# Altium PCB 4G_V4.1_5X4.PcbDoc (part 1 of 4)
Units mm, origin at the board's own origin, x right, y up, seen from the top; angles counter-clockwise.
Board outline 189.75 x 201.25 mm, 2 copper layers (Top Layer, Bottom Layer); 760 components, 0 nets, 5752 pads, 780 vias.
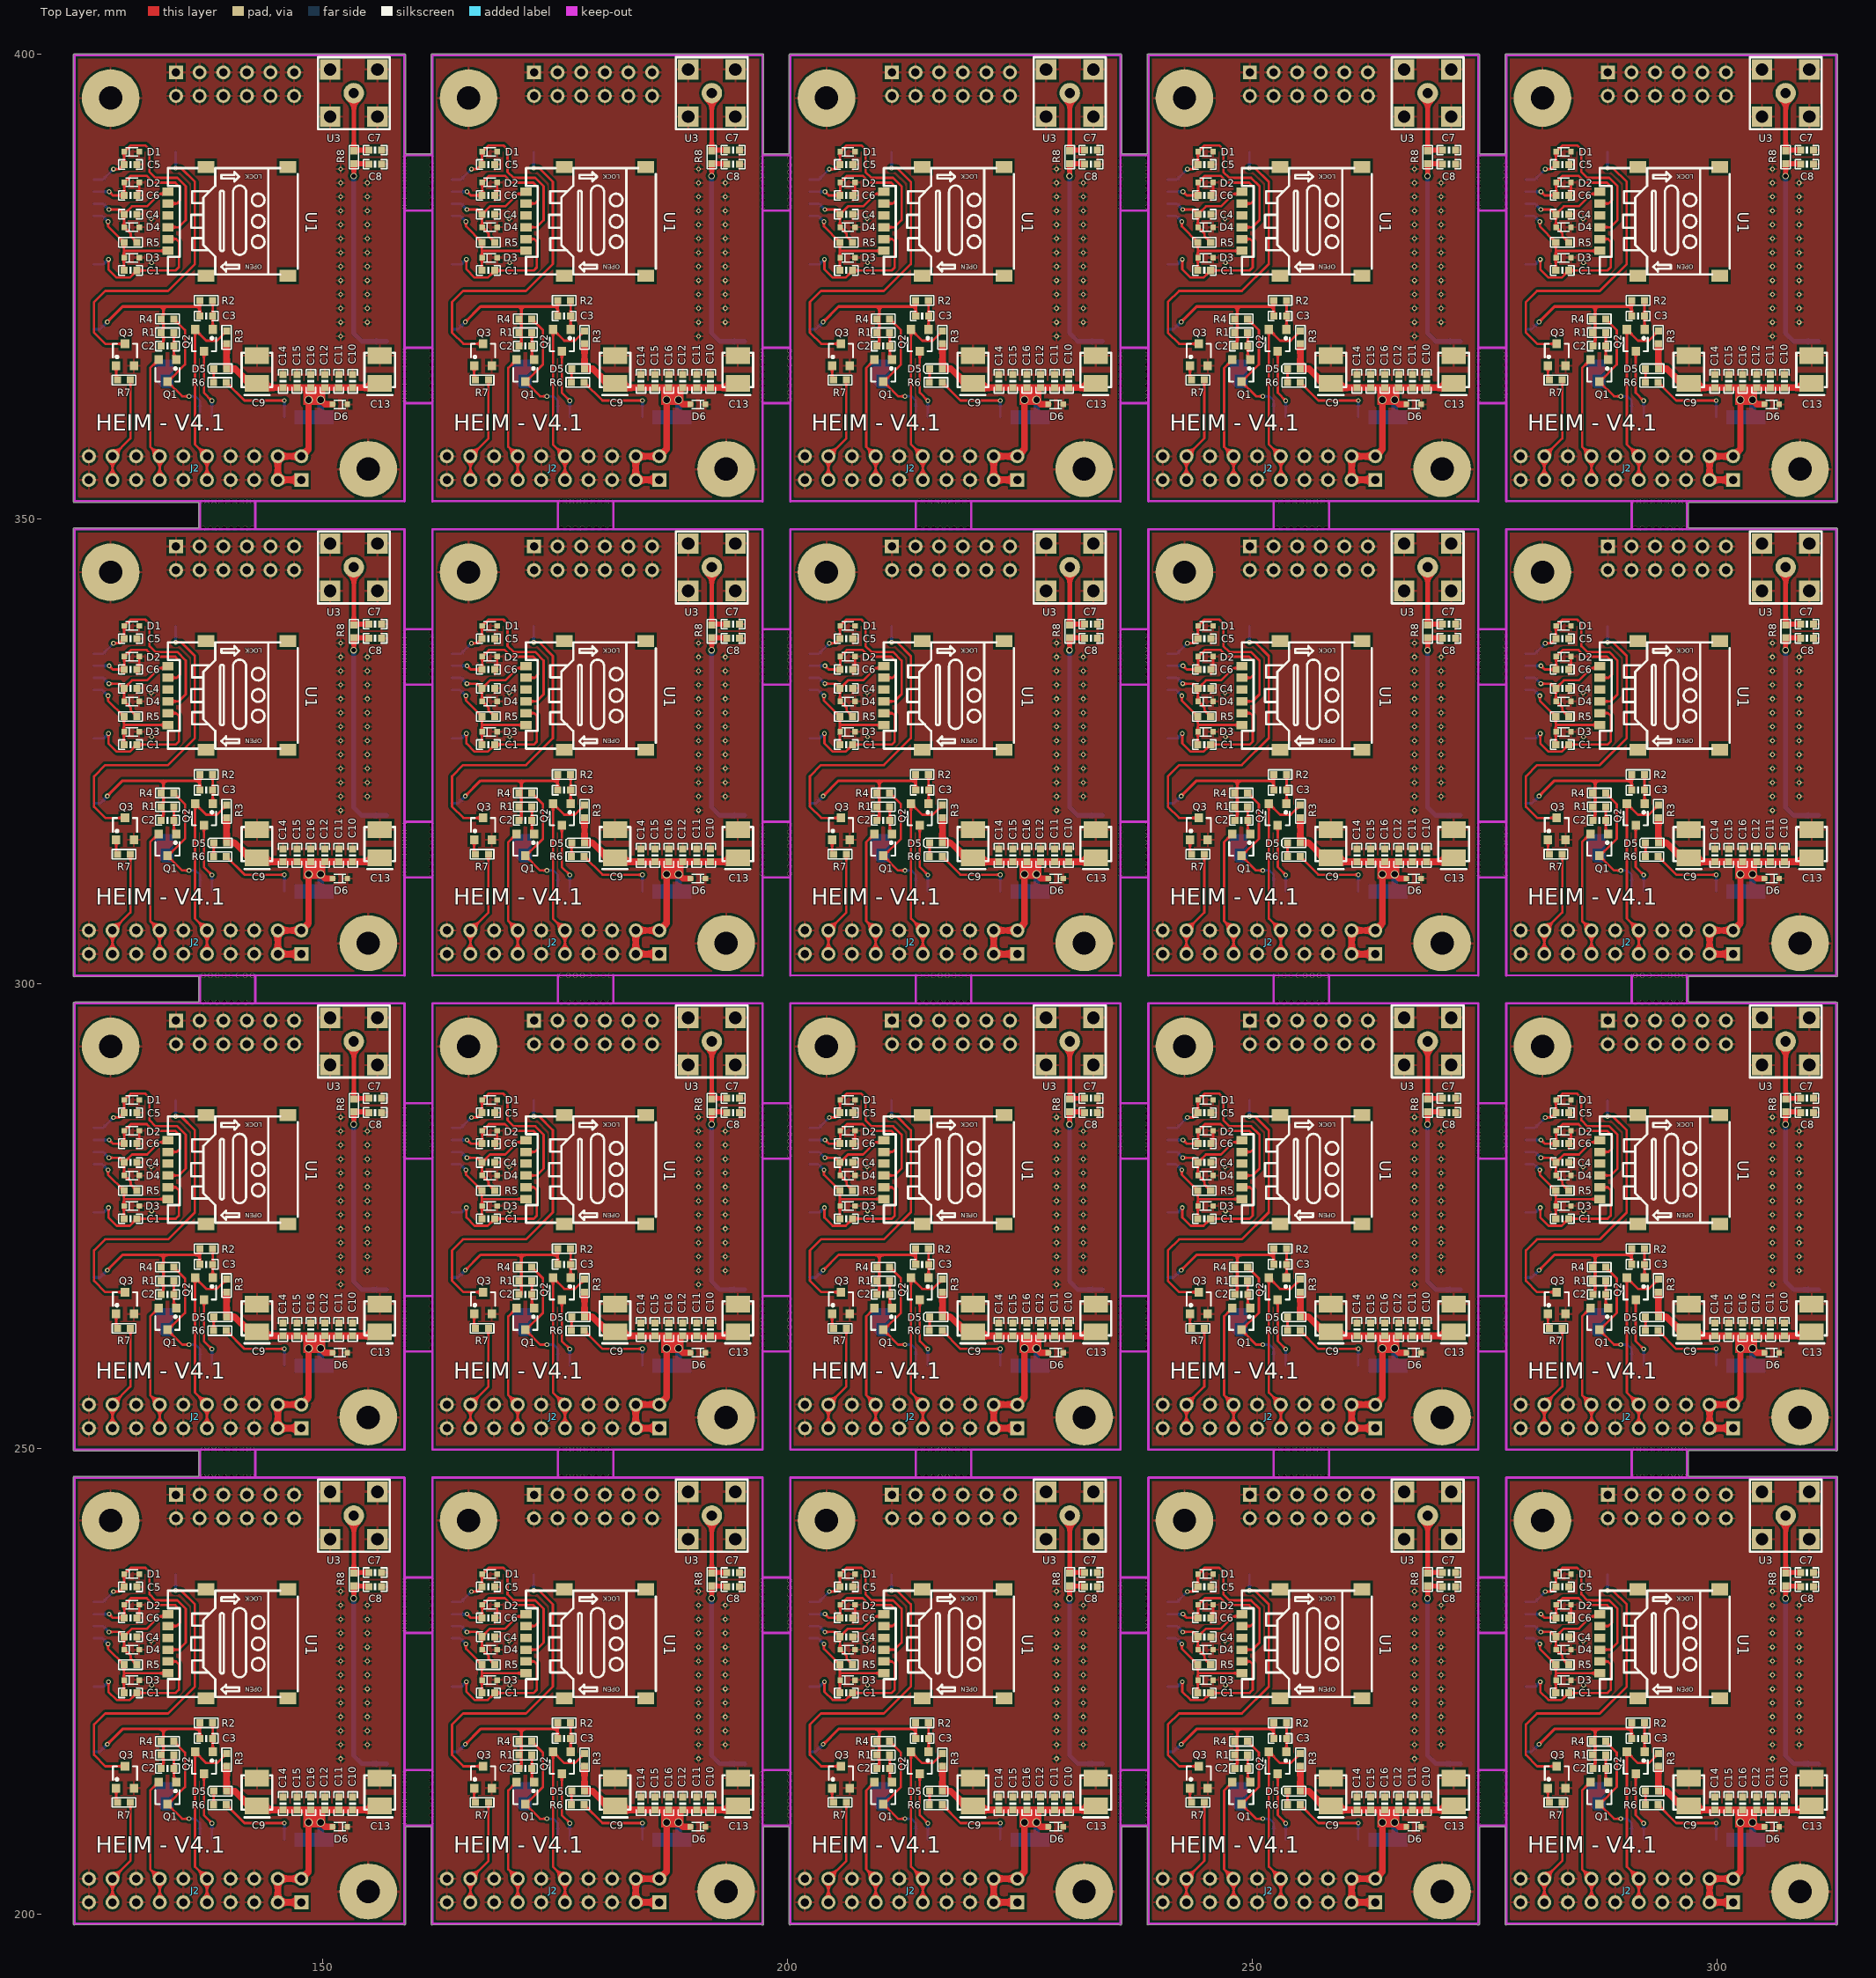
[diagram p0: Top Layer view]
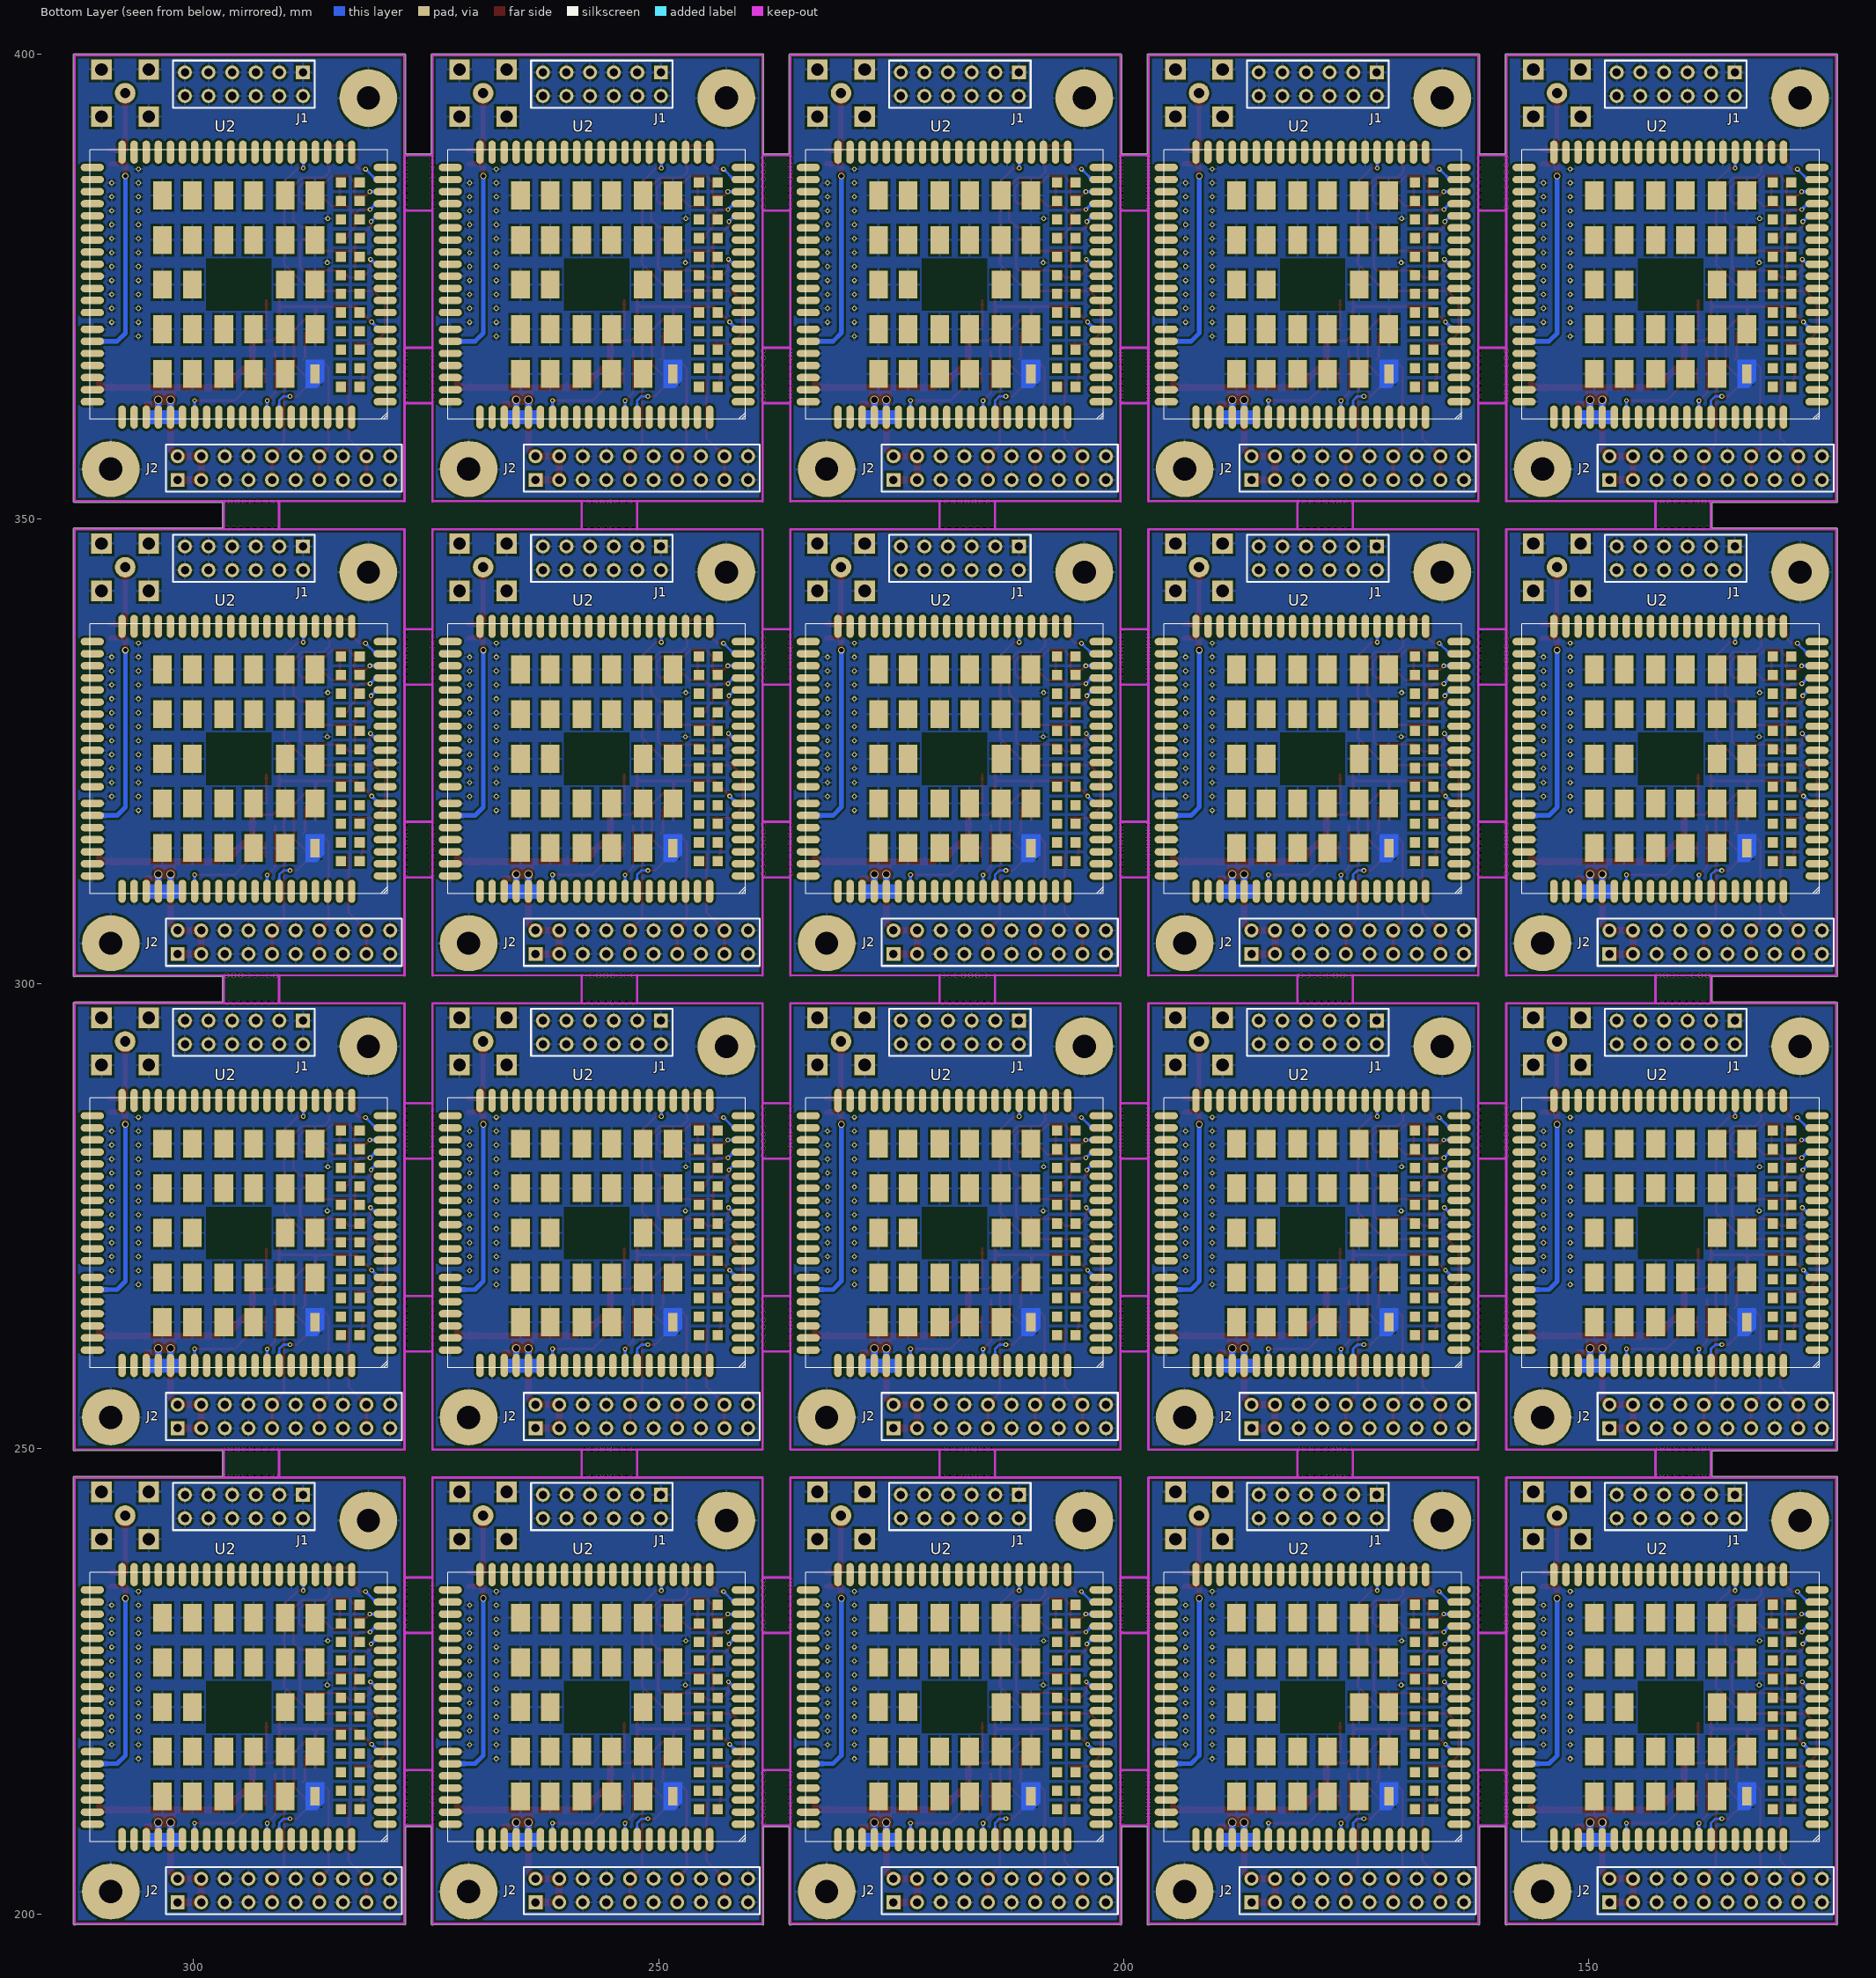
[diagram p1: Bottom Layer view, seen from below]

## Layer stack, top to bottom
Top Solder: solder mask 0.0102, Solder Resist, Dk 3.5
Top Layer: signal copper 0.0356
Dielectric 1: dielectric 0.32, FR-4, Dk 4.8
Bottom Layer: signal copper 0.0356
Bottom Solder: solder mask 0.0102, Solder Resist, Dk 3.5

## Board outline
123.19,198.923 123.19,246.923 cw(c123.317,246.923) 123.317,247.05 136.677,247.05 136.677,249.807 123.317,249.796 cw(c123.317,249.923) 123.19,249.923 123.19,297.923 cw(c123.317,297.923) 123.317,298.05 136.677,298.05 136.677,300.807 123.317,300.796 cw(c123.317,300.923) 123.19,300.923 123.19,348.923 cw(c123.317,348.923) 123.317,349.05 136.677,349.05 136.677,351.807 123.317,351.796 cw(c123.317,351.923) 123.19,351.923 123.19,399.923 cw(c123.317,399.923) 123.317,400.05 158.817,400.05 cw(c158.817,399.923) 158.944,399.923 158.944,389.306 161.69,389.306 161.69,399.923 cw(c161.817,399.923) 161.817,400.05 197.317,400.05 cw(c197.317,399.923) 197.444,399.923 197.444,389.306 200.19,389.306 200.19,399.923 cw(c200.317,399.923) 200.317,400.05 235.817,400.05 cw(c235.817,399.923) 235.944,399.923 235.944,389.306 238.69,389.306 238.69,399.923 cw(c238.817,399.923) 238.817,400.05 274.317,400.05 cw(c274.317,399.923) 274.444,399.923 274.444,389.306 277.19,389.306 277.19,399.923 cw(c277.317,399.923) 277.317,400.05 312.817,400.05 cw(c312.817,399.923) 312.944,399.923 312.944,351.923 cw(c312.817,351.923) 312.736,351.824 296.901,351.812 296.901,349.05 312.817,349.05 cw(c312.817,348.923) 312.944,348.923 312.944,300.923 cw(c312.817,300.923) 312.736,300.824 296.901,300.812 296.901,298.05 312.817,298.05 cw(c312.817,297.923) 312.944,297.923 312.944,249.923 cw(c312.817,249.923) 312.736,249.824 296.901,249.812 296.901,247.05 312.817,247.05 cw(c312.817,246.923) 312.944,246.923 312.944,198.923 cw(c312.817,198.923) 312.736,198.824 277.317,198.796 cw(c277.317,198.923) 277.19,198.923 277.19,209.356 274.444,209.356 274.444,198.923 cw(c274.317,198.923) 274.236,198.824 238.817,198.796 cw(c238.817,198.923) 238.69,198.923 238.69,209.356 235.944,209.356 235.944,198.923 cw(c235.817,198.923) 235.736,198.824 200.317,198.796 cw(c200.317,198.923) 200.19,198.923 200.19,209.356 197.444,209.356 197.444,198.923 cw(c197.317,198.923) 197.236,198.824 161.817,198.796 cw(c161.817,198.923) 161.69,198.923 161.69,209.356 158.944,209.356 158.944,198.923 cw(c158.817,198.923) 158.736,198.824 123.317,198.796 cw(c123.317,198.923)

## Design rules (kind name [scope] priority, off if disabled: settings)
Clearance [All] p1: gap=0.254
PolygonConnect [All] p1: connectstyle=Relief reliefconductorwidth=0.254 reliefentries=4 polygonreliefangle="90 Angle" airgapwidth=0.254
RoutingVias [All] p1: holewidth=0.711 width=1.27 viastyle="Through Hole" minholewidth=0.711 minwidth=1.27 maxholewidth=0.711 maxwidth=1.27
SolderMaskExpansion [All] p1: expansion=0.102
Width [All] p1: maxlimit=0.254 minlimit=0.254 preferedwidth=0.254
30 further rules are at their usual default settings.

## Components (designator, comment, footprint, x,y, rotation, side; value= is the part's Value field where it differs from the comment)
C1 "100NF/50V" 0603_C 129.337,223.758 r180 top
C1 "100NF/50V" 0603_C 167.837,223.758 r180 top
C1 "100NF/50V" 0603_C 206.337,223.758 r180 top
C1 "100NF/50V" 0603_C 244.837,223.758 r180 top
C1 "100NF/50V" 0603_C 283.337,223.758 r180 top
C1 "100NF/50V" 0603_C 129.337,274.758 r180 top
C1 "100NF/50V" 0603_C 167.837,274.758 r180 top
C1 "100NF/50V" 0603_C 206.337,274.758 r180 top
C1 "100NF/50V" 0603_C 244.837,274.758 r180 top
C1 "100NF/50V" 0603_C 283.337,274.758 r180 top
C1 "100NF/50V" 0603_C 129.337,325.758 r180 top
C1 "100NF/50V" 0603_C 167.837,325.758 r180 top
C1 "100NF/50V" 0603_C 206.337,325.758 r180 top
C1 "100NF/50V" 0603_C 244.837,325.758 r180 top
C1 "100NF/50V" 0603_C 283.337,325.758 r180 top
C1 "100NF/50V" 0603_C 129.337,376.758 r180 top
C1 "100NF/50V" 0603_C 167.837,376.758 r180 top
C1 "100NF/50V" 0603_C 206.337,376.758 r180 top
C1 "100NF/50V" 0603_C 244.837,376.758 r180 top
C1 "100NF/50V" 0603_C 283.337,376.758 r180 top
C2 "1NF/50V" 0603_C 133.314,215.624 r0 top
C2 "1NF/50V" 0603_C 171.814,215.624 r0 top
C2 "1NF/50V" 0603_C 210.314,215.624 r0 top
C2 "1NF/50V" 0603_C 248.814,215.624 r0 top
C2 "1NF/50V" 0603_C 287.314,215.624 r0 top
C2 "1NF/50V" 0603_C 133.314,266.624 r0 top
C2 "1NF/50V" 0603_C 171.814,266.624 r0 top
C2 "1NF/50V" 0603_C 210.314,266.624 r0 top
C2 "1NF/50V" 0603_C 248.814,266.624 r0 top
C2 "1NF/50V" 0603_C 287.314,266.624 r0 top
C2 "1NF/50V" 0603_C 133.314,317.624 r0 top
C2 "1NF/50V" 0603_C 171.814,317.624 r0 top
C2 "1NF/50V" 0603_C 210.314,317.624 r0 top
C2 "1NF/50V" 0603_C 248.814,317.624 r0 top
C2 "1NF/50V" 0603_C 287.314,317.624 r0 top
C2 "1NF/50V" 0603_C 133.314,368.624 r0 top
C2 "1NF/50V" 0603_C 171.814,368.624 r0 top
C2 "1NF/50V" 0603_C 210.314,368.624 r0 top
C2 "1NF/50V" 0603_C 248.814,368.624 r0 top
C2 "1NF/50V" 0603_C 287.314,368.624 r0 top
C3 "1NF/50V" 0603_C 137.49,218.856 r0 top
C3 "1NF/50V" 0603_C 175.99,218.856 r0 top
C3 "1NF/50V" 0603_C 214.49,218.856 r0 top
C3 "1NF/50V" 0603_C 252.99,218.856 r0 top
C3 "1NF/50V" 0603_C 291.49,218.856 r0 top
C3 "1NF/50V" 0603_C 137.49,269.856 r0 top
C3 "1NF/50V" 0603_C 175.99,269.856 r0 top
C3 "1NF/50V" 0603_C 214.49,269.856 r0 top
C3 "1NF/50V" 0603_C 252.99,269.856 r0 top
C3 "1NF/50V" 0603_C 291.49,269.856 r0 top
C3 "1NF/50V" 0603_C 137.49,320.856 r0 top
C3 "1NF/50V" 0603_C 175.99,320.856 r0 top
C3 "1NF/50V" 0603_C 214.49,320.856 r0 top
C3 "1NF/50V" 0603_C 252.99,320.856 r0 top
C3 "1NF/50V" 0603_C 291.49,320.856 r0 top
C3 "1NF/50V" 0603_C 137.49,371.856 r0 top
C3 "1NF/50V" 0603_C 175.99,371.856 r0 top
C3 "1NF/50V" 0603_C 214.49,371.856 r0 top
C3 "1NF/50V" 0603_C 252.99,371.856 r0 top
C3 "1NF/50V" 0603_C 291.49,371.856 r0 top
C4 "33PF/50V" 0603_C 129.337,229.803 r0 top
C4 "33PF/50V" 0603_C 167.837,229.803 r0 top
C4 "33PF/50V" 0603_C 206.337,229.803 r0 top
C4 "33PF/50V" 0603_C 244.837,229.803 r0 top
C4 "33PF/50V" 0603_C 283.337,229.803 r0 top
C4 "33PF/50V" 0603_C 129.337,280.803 r0 top
C4 "33PF/50V" 0603_C 167.837,280.803 r0 top
C4 "33PF/50V" 0603_C 206.337,280.803 r0 top
C4 "33PF/50V" 0603_C 244.837,280.803 r0 top
C4 "33PF/50V" 0603_C 283.337,280.803 r0 top
C4 "33PF/50V" 0603_C 129.337,331.803 r0 top
C4 "33PF/50V" 0603_C 167.837,331.803 r0 top
C4 "33PF/50V" 0603_C 206.337,331.803 r0 top
C4 "33PF/50V" 0603_C 244.837,331.803 r0 top
C4 "33PF/50V" 0603_C 283.337,331.803 r0 top
C4 "33PF/50V" 0603_C 129.337,382.803 r0 top
C4 "33PF/50V" 0603_C 167.837,382.803 r0 top
C4 "33PF/50V" 0603_C 206.337,382.803 r0 top
C4 "33PF/50V" 0603_C 244.837,382.803 r0 top
C4 "33PF/50V" 0603_C 283.337,382.803 r0 top
C5 "33PF/50V" 0603_C 129.337,235.163 r0 top
C5 "33PF/50V" 0603_C 167.837,235.163 r0 top
C5 "33PF/50V" 0603_C 206.337,235.163 r0 top
C5 "33PF/50V" 0603_C 244.837,235.163 r0 top
C5 "33PF/50V" 0603_C 283.337,235.163 r0 top
C5 "33PF/50V" 0603_C 129.337,286.163 r0 top
C5 "33PF/50V" 0603_C 167.837,286.163 r0 top
C5 "33PF/50V" 0603_C 206.337,286.163 r0 top
C5 "33PF/50V" 0603_C 244.837,286.163 r0 top
C5 "33PF/50V" 0603_C 283.337,286.163 r0 top
C5 "33PF/50V" 0603_C 129.337,337.163 r0 top
C5 "33PF/50V" 0603_C 167.837,337.163 r0 top
C5 "33PF/50V" 0603_C 206.337,337.163 r0 top
C5 "33PF/50V" 0603_C 244.837,337.163 r0 top
C5 "33PF/50V" 0603_C 283.337,337.163 r0 top
C5 "33PF/50V" 0603_C 129.337,388.163 r0 top
C5 "33PF/50V" 0603_C 167.837,388.163 r0 top
C5 "33PF/50V" 0603_C 206.337,388.163 r0 top
C5 "33PF/50V" 0603_C 244.837,388.163 r0 top
C5 "33PF/50V" 0603_C 283.337,388.163 r0 top
C6 "33PF/50V" 0603_C 129.337,231.835 r0 top
C6 "33PF/50V" 0603_C 167.837,231.835 r0 top
C6 "33PF/50V" 0603_C 206.337,231.835 r0 top
C6 "33PF/50V" 0603_C 244.837,231.835 r0 top
C6 "33PF/50V" 0603_C 283.337,231.835 r0 top
C6 "33PF/50V" 0603_C 129.337,282.835 r0 top
C6 "33PF/50V" 0603_C 167.837,282.835 r0 top
C6 "33PF/50V" 0603_C 206.337,282.835 r0 top
C6 "33PF/50V" 0603_C 244.837,282.835 r0 top
C6 "33PF/50V" 0603_C 283.337,282.835 r0 top
C6 "33PF/50V" 0603_C 129.337,333.835 r0 top
C6 "33PF/50V" 0603_C 167.837,333.835 r0 top
C6 "33PF/50V" 0603_C 206.337,333.835 r0 top
C6 "33PF/50V" 0603_C 244.837,333.835 r0 top
C6 "33PF/50V" 0603_C 283.337,333.835 r0 top
C6 "33PF/50V" 0603_C 129.337,384.835 r0 top
C6 "33PF/50V" 0603_C 167.837,384.835 r0 top
C6 "33PF/50V" 0603_C 206.337,384.835 r0 top
C6 "33PF/50V" 0603_C 244.837,384.835 r0 top
C6 "33PF/50V" 0603_C 283.337,384.835 r0 top
C7 "[NC]" 0603_C 155.651,236.712 r0 top
C7 "[NC]" 0603_C 194.151,236.712 r0 top
C7 "[NC]" 0603_C 232.651,236.712 r0 top
C7 "[NC]" 0603_C 271.151,236.712 r0 top
C7 "[NC]" 0603_C 309.651,236.712 r0 top
C7 "[NC]" 0603_C 155.651,287.712 r0 top
C7 "[NC]" 0603_C 194.151,287.712 r0 top
C7 "[NC]" 0603_C 232.651,287.712 r0 top
C7 "[NC]" 0603_C 271.151,287.712 r0 top
C7 "[NC]" 0603_C 309.651,287.712 r0 top
C7 "[NC]" 0603_C 155.651,338.712 r0 top
C7 "[NC]" 0603_C 194.151,338.712 r0 top
C7 "[NC]" 0603_C 232.651,338.712 r0 top
C7 "[NC]" 0603_C 271.151,338.712 r0 top
C7 "[NC]" 0603_C 309.651,338.712 r0 top
C7 "[NC]" 0603_C 155.651,389.712 r0 top
C7 "[NC]" 0603_C 194.151,389.712 r0 top
C7 "[NC]" 0603_C 232.651,389.712 r0 top
C7 "[NC]" 0603_C 271.151,389.712 r0 top
C7 "[NC]" 0603_C 309.651,389.712 r0 top
C8 "[NC]" 0603_C 155.651,235.188 r0 top
C8 "[NC]" 0603_C 194.151,235.188 r0 top
C8 "[NC]" 0603_C 232.651,235.188 r0 top
C8 "[NC]" 0603_C 271.151,235.188 r0 top
C8 "[NC]" 0603_C 309.651,235.188 r0 top
C8 "[NC]" 0603_C 155.651,286.188 r0 top
C8 "[NC]" 0603_C 194.151,286.188 r0 top
C8 "[NC]" 0603_C 232.651,286.188 r0 top
C8 "[NC]" 0603_C 271.151,286.188 r0 top
C8 "[NC]" 0603_C 309.651,286.188 r0 top
C8 "[NC]" 0603_C 155.651,337.188 r0 top
C8 "[NC]" 0603_C 194.151,337.188 r0 top
C8 "[NC]" 0603_C 232.651,337.188 r0 top
C8 "[NC]" 0603_C 271.151,337.188 r0 top
C8 "[NC]" 0603_C 309.651,337.188 r0 top
C8 "[NC]" 0603_C 155.651,388.188 r0 top
C8 "[NC]" 0603_C 194.151,388.188 r0 top
C8 "[NC]" 0603_C 232.651,388.188 r0 top
C8 "[NC]" 0603_C 271.151,388.188 r0 top
C8 "[NC]" 0603_C 309.651,388.188 r0 top
C9 "100UF/6.3V" CASE-B_3528 142.951,211.592 r270 top
C9 "100UF/6.3V" CASE-B_3528 181.451,211.592 r270 top
C9 "100UF/6.3V" CASE-B_3528 219.951,211.592 r270 top
C9 "100UF/6.3V" CASE-B_3528 258.451,211.592 r270 top
C9 "100UF/6.3V" CASE-B_3528 296.951,211.592 r270 top
C9 "100UF/6.3V" CASE-B_3528 142.951,262.592 r270 top
C9 "100UF/6.3V" CASE-B_3528 181.451,262.592 r270 top
C9 "100UF/6.3V" CASE-B_3528 219.951,262.592 r270 top
C9 "100UF/6.3V" CASE-B_3528 258.451,262.592 r270 top
C9 "100UF/6.3V" CASE-B_3528 296.951,262.592 r270 top
C9 "100UF/6.3V" CASE-B_3528 142.951,313.592 r270 top
C9 "100UF/6.3V" CASE-B_3528 181.451,313.592 r270 top
C9 "100UF/6.3V" CASE-B_3528 219.951,313.592 r270 top
C9 "100UF/6.3V" CASE-B_3528 258.451,313.592 r270 top
C9 "100UF/6.3V" CASE-B_3528 296.951,313.592 r270 top
C9 "100UF/6.3V" CASE-B_3528 142.951,364.592 r270 top
C9 "100UF/6.3V" CASE-B_3528 181.451,364.592 r270 top
C9 "100UF/6.3V" CASE-B_3528 219.951,364.592 r270 top
C9 "100UF/6.3V" CASE-B_3528 258.451,364.592 r270 top
C9 "100UF/6.3V" CASE-B_3528 296.951,364.592 r270 top
C10 "100NF/50V" 0603_C 153.238,211.846 r90 top
C10 "100NF/50V" 0603_C 191.738,211.846 r90 top
C10 "100NF/50V" 0603_C 230.238,211.846 r90 top
C10 "100NF/50V" 0603_C 268.738,211.846 r90 top
C10 "100NF/50V" 0603_C 307.238,211.846 r90 top
C10 "100NF/50V" 0603_C 153.238,262.846 r90 top
C10 "100NF/50V" 0603_C 191.738,262.846 r90 top
C10 "100NF/50V" 0603_C 230.238,262.846 r90 top
C10 "100NF/50V" 0603_C 268.738,262.846 r90 top
C10 "100NF/50V" 0603_C 307.238,262.846 r90 top
C10 "100NF/50V" 0603_C 153.238,313.846 r90 top
C10 "100NF/50V" 0603_C 191.738,313.846 r90 top
C10 "100NF/50V" 0603_C 230.238,313.846 r90 top
C10 "100NF/50V" 0603_C 268.738,313.846 r90 top
C10 "100NF/50V" 0603_C 307.238,313.846 r90 top
C10 "100NF/50V" 0603_C 153.238,364.846 r90 top
C10 "100NF/50V" 0603_C 191.738,364.846 r90 top
C10 "100NF/50V" 0603_C 230.238,364.846 r90 top
C10 "100NF/50V" 0603_C 268.738,364.846 r90 top
C10 "100NF/50V" 0603_C 307.238,364.846 r90 top
C11 "33PF/50V" 0603_C 151.74,211.846 r90 top
C11 "33PF/50V" 0603_C 190.24,211.846 r90 top
C11 "33PF/50V" 0603_C 228.74,211.846 r90 top
C11 "33PF/50V" 0603_C 267.24,211.846 r90 top
C11 "33PF/50V" 0603_C 305.74,211.846 r90 top
C11 "33PF/50V" 0603_C 151.74,262.846 r90 top
C11 "33PF/50V" 0603_C 190.24,262.846 r90 top
C11 "33PF/50V" 0603_C 228.74,262.846 r90 top
C11 "33PF/50V" 0603_C 267.24,262.846 r90 top
C11 "33PF/50V" 0603_C 305.74,262.846 r90 top
C11 "33PF/50V" 0603_C 151.74,313.846 r90 top
C11 "33PF/50V" 0603_C 190.24,313.846 r90 top
C11 "33PF/50V" 0603_C 228.74,313.846 r90 top
C11 "33PF/50V" 0603_C 267.24,313.846 r90 top
C11 "33PF/50V" 0603_C 305.74,313.846 r90 top
C11 "33PF/50V" 0603_C 151.74,364.846 r90 top
C11 "33PF/50V" 0603_C 190.24,364.846 r90 top
C11 "33PF/50V" 0603_C 228.74,364.846 r90 top
C11 "33PF/50V" 0603_C 267.24,364.846 r90 top
C11 "33PF/50V" 0603_C 305.74,364.846 r90 top
C12 "10PF/50V" 0603_C 150.241,211.846 r90 top
C12 "10PF/50V" 0603_C 188.741,211.846 r90 top
C12 "10PF/50V" 0603_C 227.241,211.846 r90 top
C12 "10PF/50V" 0603_C 265.741,211.846 r90 top
C12 "10PF/50V" 0603_C 304.241,211.846 r90 top
C12 "10PF/50V" 0603_C 150.241,262.846 r90 top
C12 "10PF/50V" 0603_C 188.741,262.846 r90 top
C12 "10PF/50V" 0603_C 227.241,262.846 r90 top
C12 "10PF/50V" 0603_C 265.741,262.846 r90 top
C12 "10PF/50V" 0603_C 304.241,262.846 r90 top
C12 "10PF/50V" 0603_C 150.241,313.846 r90 top
C12 "10PF/50V" 0603_C 188.741,313.846 r90 top
C12 "10PF/50V" 0603_C 227.241,313.846 r90 top
C12 "10PF/50V" 0603_C 265.741,313.846 r90 top
C12 "10PF/50V" 0603_C 304.241,313.846 r90 top
C12 "10PF/50V" 0603_C 150.241,364.846 r90 top
C12 "10PF/50V" 0603_C 188.741,364.846 r90 top
C12 "10PF/50V" 0603_C 227.241,364.846 r90 top
C12 "10PF/50V" 0603_C 265.741,364.846 r90 top
C12 "10PF/50V" 0603_C 304.241,364.846 r90 top
C13 "100UF/6.3V" CASE-B_3528 156.159,211.592 r270 top
C13 "100UF/6.3V" CASE-B_3528 194.659,211.592 r270 top
C13 "100UF/6.3V" CASE-B_3528 233.159,211.592 r270 top
C13 "100UF/6.3V" CASE-B_3528 271.659,211.592 r270 top
C13 "100UF/6.3V" CASE-B_3528 310.159,211.592 r270 top